# Altium PCB PCB1.pcbdoc (part 1 of 4) (continued)
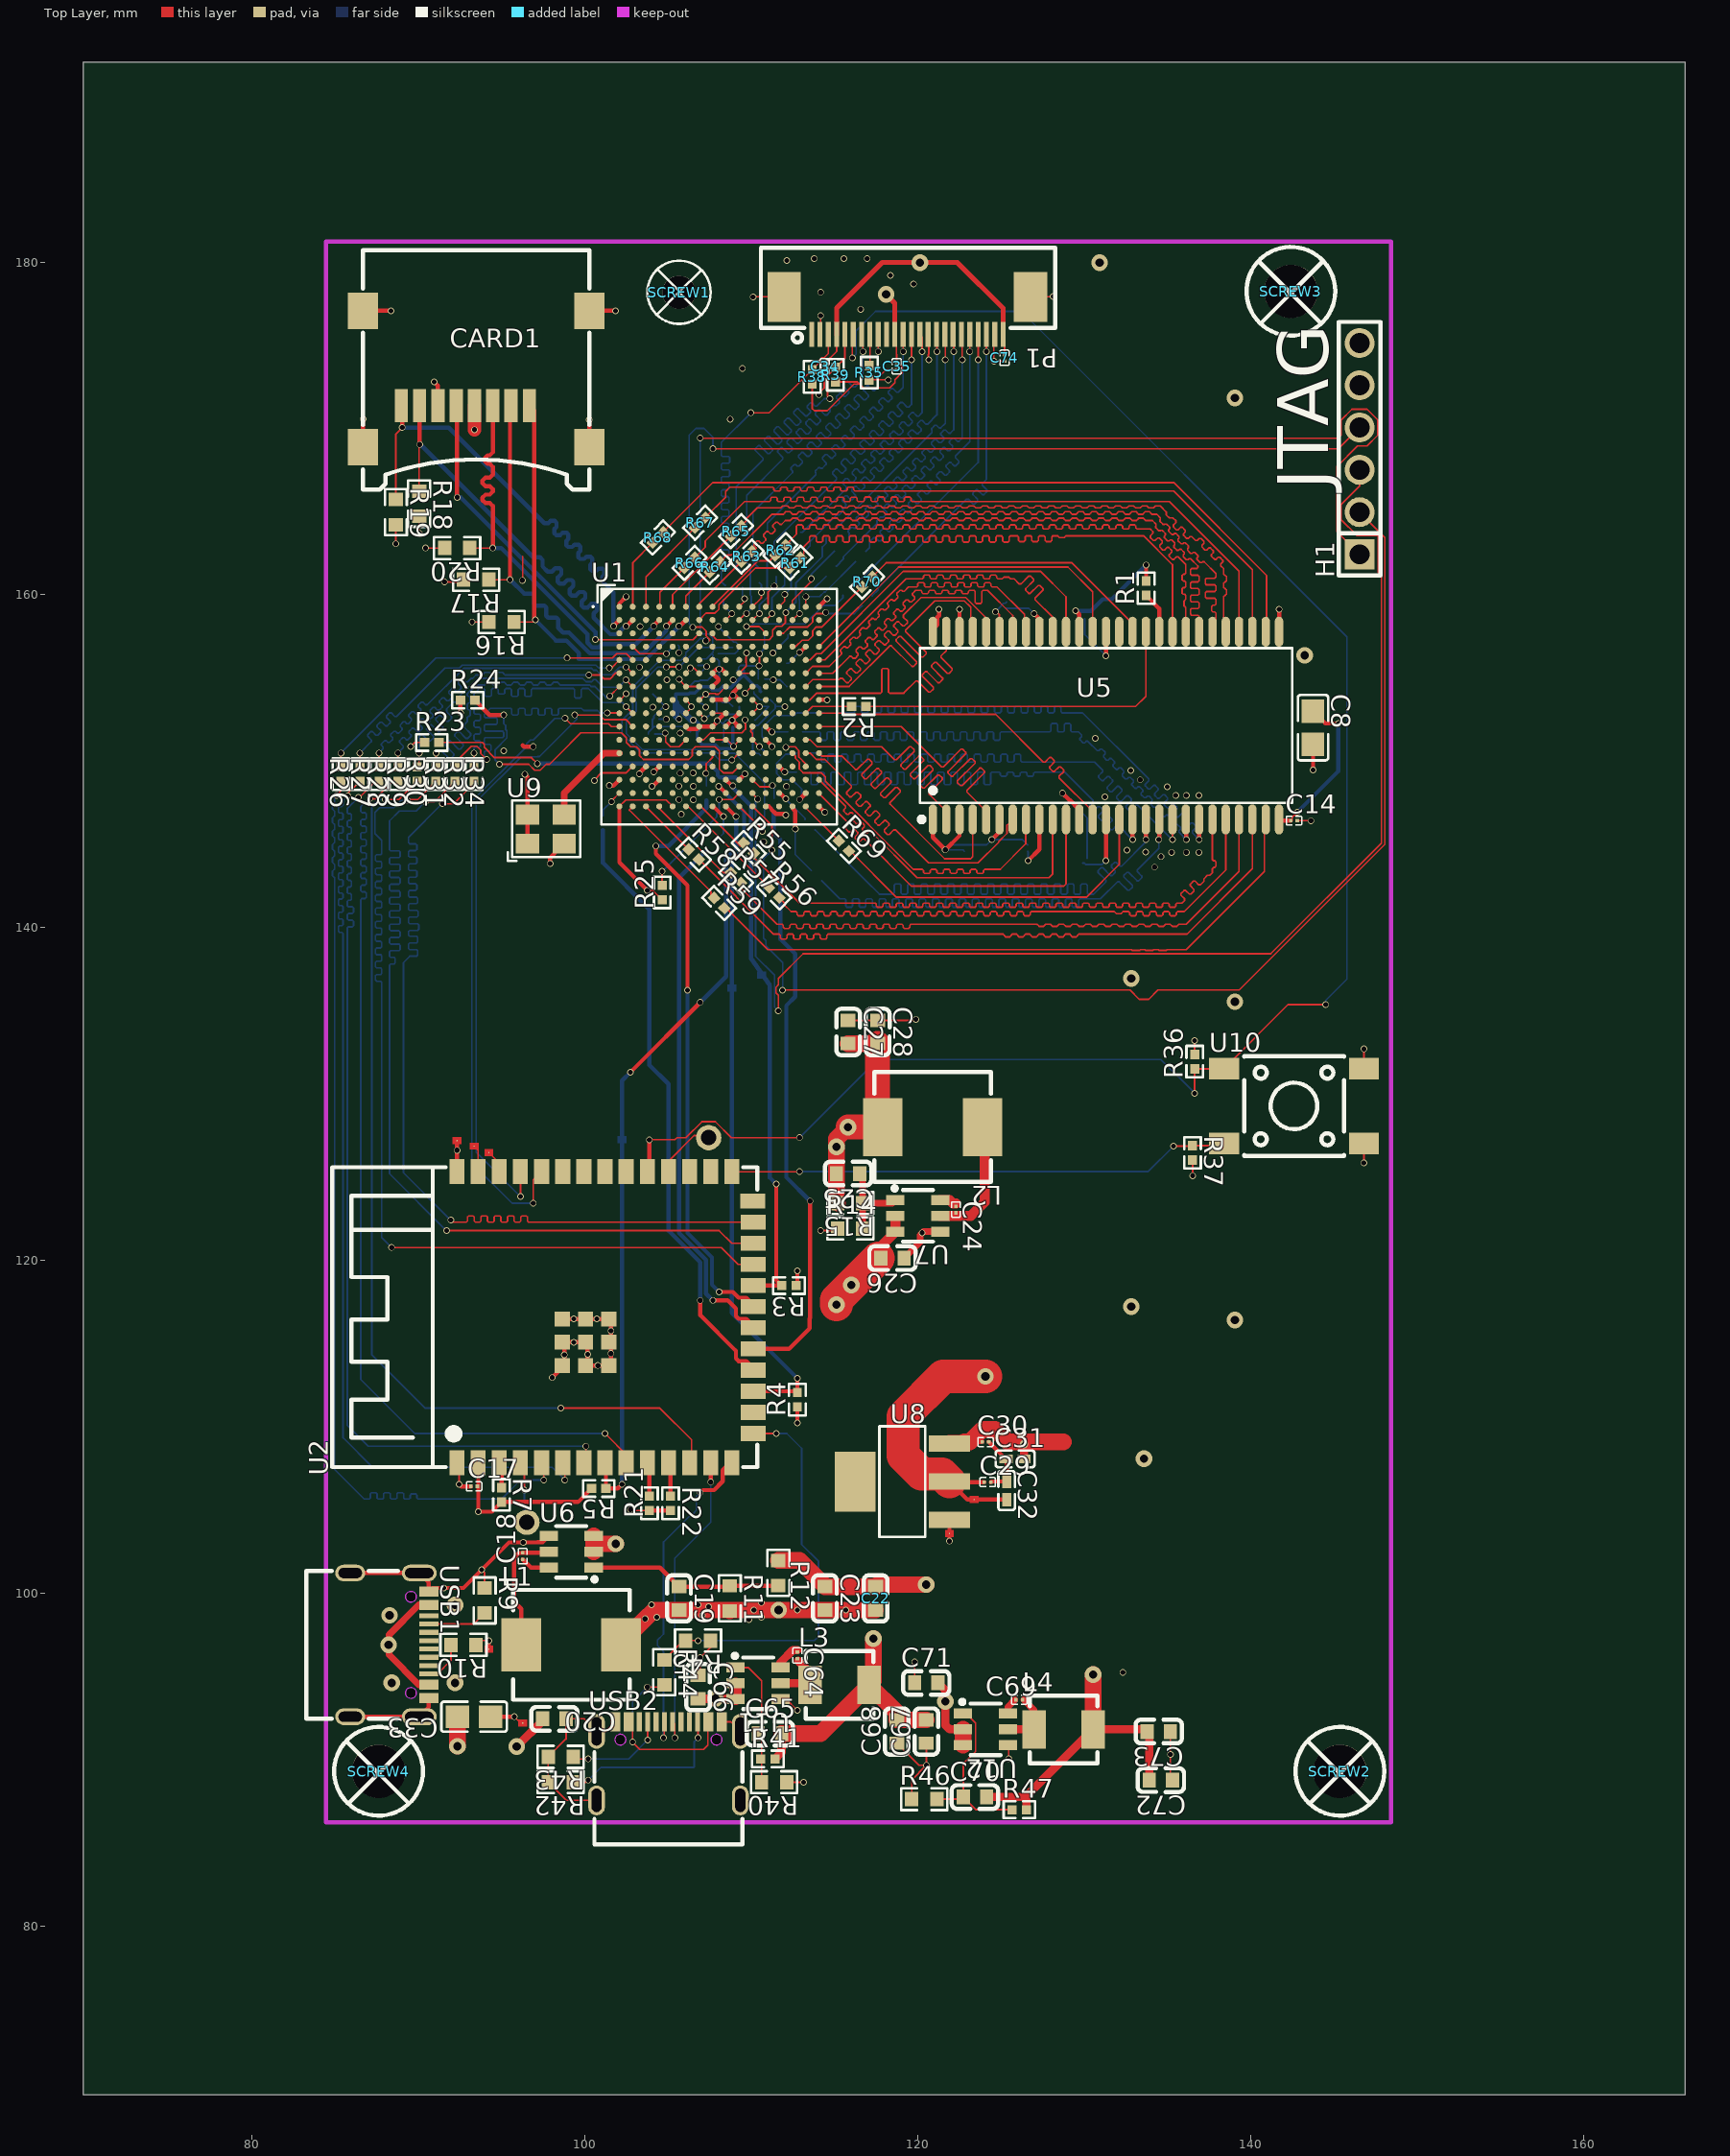
[diagram p0: Top Layer view]
## Components (designator, comment, footprint, x,y, rotation, side; value= is the part's Value field where it differs from the comment)
C8 "CL21A476MQYNNNE" C0805 143.764,152.019 r270 top
C10 "GRM022R60J104KE15D" C01005 122.174,144.78 r90 bottom
C11 "GRM022R60J104KE15D" C01005 122.809,144.78 r90 bottom
C12 "GRM022R60J104KE15D" C01005 126.619,144.78 r90 bottom
C13 "GRM022R60J104KE15D" C01005 130.048,144.018 r45 bottom
C14 "GRM022R60J104KE15D" C01005 142.621,146.431 r0 top
C15 "GRM022R60J104KE15D" C01005 130.048,158.75 r90 bottom
C16 "GRM022R60J104KE15D" C01005 125.349,159.385 r90 bottom
C17 "GRM022R60J104KE15D" C01005 93.345,106.426 r0 top
C18 "GRM022R60J104KE15D" C01005 96.266,102.235 r90 top
C19 "TCC0603X7R104K500CT" C0603 105.664,99.695 r270 top
C20 "TCC0603X5R226M6R3CT" C0603 98.171,92.456 r180 top
C22 "TCC0603X5R226M6R3CT" C0603 117.475,99.695 r270 top
C23 "TCC0603X5R226M6R3CT" C0603 114.427,99.695 r270 top
C24 "GRM022R60J104KE15D" C01005 122.301,123.063 r270 top
C25 "TCC0603X7R104K500CT" C0603 115.824,125.222 r180 top
C26 "TCC0603X5R226M6R3CT" C0603 118.491,120.142 r180 top
C27 "TCC0603X5R226M6R3CT" C0603 115.824,133.731 r270 top
C28 "TCC0603X5R226M6R3CT" C0603 117.602,133.731 r270 top
C29 "GRM022R60J104KE15D" C01005 124.206,106.68 r0 top
C30 "GRM022R60J104KE15D" C01005 124.079,109.093 r0 top
C31 "GRM155R60J106ME44D" C0402 125.857,108.077 r0 top
C32 "GRM155R60J106ME44D" C0402 125.349,106.172 r270 top
C33 "CL21A476MQYNNNE" C0805 93.345,92.583 r180 top
C34 "GRM022R60J104KE15D" C01005 114.427,173.736 r270 top
C35 "GRM022R60J104KE15D" C01005 118.745,173.736 r270 top
C37 "GRM022R60J104KE15D" C01005 105.41,156.972 r180 bottom
C39 "GRM022R60J104KE15D" C01005 109.093,156.845 r180 bottom
C40 "GRM022R60J104KE15D" C01005 110.617,154.94 r180 bottom
C41 "GRM022R60J104KE15D" C01005 106.299,154.305 r90 bottom
C42 "GRM022R60J104KE15D" C01005 108.204,154.686 r135 bottom
C43 "GRM022R60J104KE15D" C01005 109.347,155.448 r180 bottom
C44 "GRM022R60J104KE15D" C01005 110.363,154.178 r180 bottom
C45 "GRM022R60J104KE15D" C01005 106.934,153.67 r270 bottom
C46 "GRM022R60J104KE15D" C01005 108.077,153.543 r180 bottom
C47 "GRM022R60J104KE15D" C01005 109.093,153.289 r0 bottom
C48 "GRM022R60J104KE15D" C01005 110.744,150.368 r180 bottom
C49 "GRM022R60J104KE15D" C01005 108.712,152.019 r180 bottom
C50 "GRM022R60J104KE15D" C01005 107.823,156.464 r180 bottom
C51 "GRM022R60J104KE15D" C01005 104.013,151.638 r180 bottom
C52 "GRM022R60J104KE15D" C01005 110.236,152.273 r270 bottom
C53 "GRM022R60J104KE15D" C01005 108.458,151.13 r180 bottom
C54 "GRM022R60J104KE15D" C01005 106.553,151.765 r180 bottom
C55 "GRM022R60J104KE15D" C01005 111.252,153.289 r0 bottom
C56 "GRM022R60J104KE15D" C01005 104.267,152.527 r180 bottom
C57 "GRM022R60J104KE15D" C01005 107.823,152.908 r0 bottom
C58 "TCC0603X5R226M6R3CT" C0603 111.379,157.607 r180 bottom
C59 "TCC0603X5R226M6R3CT" C0603 112.141,155.194 r90 bottom
C61 "TCC0603X5R226M6R3CT" C0603 104.775,154.051 r180 bottom
C62 "GRM022R60J104KE15D" C01005 106.934,155.067 r270 bottom
C63 "GRM022R60J104KE15D" C01005 106.807,155.956 r90 bottom
C64 "GRM022R60J104KE15D" C01005 112.776,96.266 r270 top
C65 "TCC0603X7R104K500CT" C0603 111.125,91.567 r0 top
C66 "TCC0603X5R226M6R3CT" C0603 106.807,94.361 r270 top
C67 "TCC0603X5R226M6R3CT" C0603 120.523,91.694 r90 top
C68 "TCC0603X5R226M6R3CT" C0603 118.745,91.694 r90 top
C69 "GRM022R60J104KE15D" C01005 126.111,93.599 r0 top
C70 "TCC0603X7R104K500CT" C0603 123.444,87.757 r0 top
C71 "TCC0603X5R226M6R3CT" C0603 120.523,94.615 r0 top
C72 "TCC0603X5R226M6R3CT" C0603 134.62,88.773 r180 top
C73 "TCC0603X5R226M6R3CT" C0603 134.493,91.694 r180 top
C74 "GRM022R60J104KE15D" C01005 125.222,174.244 r270 top
CARD1 "DS1139-06-08SS4BSR" TF-SMD_DS1139-06-08SS4BSR 93.472,172.974 r0 top
H1 "2.54-1x6P直针" HDR-TH_6P-P2.54-V-M-1 146.558,168.783 r90 top
L1 "FXL0630-6R8-M" IND-SMD_L7.0-W6.6 99.187,96.901 r0 top
L2 "FXL0630-100-M" IND-SMD_L7.3-W6.8 120.904,128.016 r180 top
L3 "SL0420-3R3M" IND-SMD_L4.5-W4.1_SL0420 115.316,94.488 r0 top
L4 "SL0420-3R3M" IND-SMD_L4.5-W4.1_SL0420 128.778,91.821 r0 top
P1 "AFC07-S24FCC-00" FPC-SMD_AFC07-S24FCC-00 119.38,176.784 r180 top
R1 "0402WGF1002TCE" R0402 133.731,160.401 r90 top
R2 "0402WGF330JTCE" R0402 116.459,153.289 r180 top
R3 "0402WGF1002TCE" R0402 112.268,118.491 r180 top
R4 "0402WGF1002TCE" R0402 112.776,111.633 r90 top
R5 "0402WGF1002TCE" R0402 100.838,106.299 r180 top
R6 "0402WGF330JTCE" R0402 111.379,147.32 r270 bottom
R7 "0402WGF1002TCE" R0402 94.996,105.918 r270 top
R9 "0603WAF5101T5E" R0603 93.98,99.568 r270 top
R10 "0603WAF5101T5E" R0603 92.71,96.901 r180 top
R11 "FRC0603F1963TS" R0603 108.712,99.695 r270 top
R12 "FRC0603F6202TS" R0603 111.633,101.219 r270 top
R14 "FRC0603F6202TS" R0603 115.951,121.92 r0 top
R15 "0603WAF2322T5E" R0603 115.951,123.444 r180 top
R16 "FRC0603F6202TS" R0603 94.996,158.369 r180 top
R17 "FRC0603F6202TS" R0603 93.472,160.909 r180 top
R18 "FRC0603F6202TS" R0603 90.043,165.481 r270 top
R19 "FRC0603F6202TS" R0603 88.646,164.973 r270 top
R20 "FRC0603F6202TS" R0603 92.329,162.814 r180 top
R21 "0402WGF1002TCE" R0402 103.886,105.41 r270 top
R22 "0402WGF1002TCE" R0402 105.156,105.41 r270 top
R23 "0402WGF1002TCE" R0402 90.805,151.13 r0 top
R24 "0402WGF1002TCE" R0402 92.964,153.67 r0 top
R25 "0402WGF1002TCE" R0402 104.648,142.113 r90 top
R26 "0402WGF330JTCE" R0402 85.344,149.225 r270 top
R27 "0402WGF330JTCE" R0402 86.487,149.225 r270 top
R28 "0402WGF330JTCE" R0402 87.63,149.225 r270 top
R29 "0402WGF330JTCE" R0402 88.773,149.225 r270 top
R30 "0402WGF330JTCE" R0402 89.916,149.225 r270 top
R31 "0402WGF330JTCE" R0402 91.059,149.225 r270 top
R32 "0402WGF330JTCE" R0402 92.202,149.225 r270 top
R34 "0402WGF330JTCE" R0402 93.345,149.225 r270 top
R35 "0402WGF1002TCE" R0402 117.094,173.355 r270 top
R36 "0402WGF1002TCE" R0402 136.652,131.953 r90 top
R37 "0402WGF1002TCE" R0402 136.525,126.469 r270 top
R38 "0402WGF1002TCE" R0402 113.665,173.101 r270 top
R39 "0402WGF1002TCE" R0402 115.062,173.228 r270 top
R40 "FRC0603F6202TS" R0603 111.379,88.646 r180 top
R41 "RC0402FR-07130KL" R0402 110.998,90.043 r0 top
R42 "0603WAF5101T5E" R0603 98.552,88.646 r180 top
R43 "0603WAF5101T5E" R0603 98.552,90.17 r180 top
R44 "FRC0603F1963TS" R0603 104.775,95.25 r270 top
R45 "FRC0603F1963TS" R0603 106.807,97.155 r180 top
R46 "FRC0603F6202TS" R0603 120.396,87.63 r0 top
R47 "0402WGF1543TCE" R0402 126.111,86.995 r0 top
R48 "0402WGF330JTCE" R0402 113.157,149.479 r0 bottom
R49 "0402WGF330JTCE" R0402 113.538,146.177 r315 bottom
R50 "0402WGF330JTCE" R0402 113.919,143.129 r315 bottom
R51 "0402WGF330JTCE" R0402 113.157,150.495 r0 bottom
R53 "0402WGF330JTCE" R0402 114.808,152.908 r0 bottom
R54 "0402WGF330JTCE" R0402 112.649,151.765 r0 bottom
R55 "0402WGF330JTCE" R0402 109.855,144.78 r315 top
R56 "0402WGF330JTCE" R0402 111.379,142.113 r315 top
R57 "0402WGF330JTCE" R0402 109.093,143.002 r315 top
R58 "0402WGF330JTCE" R0402 106.553,144.399 r315 top
R59 "0402WGF330JTCE" R0402 108.077,141.478 r315 top
R61 "0402WGF330JTCE" R0402 112.649,161.925 r225 top
R62 "0402WGF330JTCE" R0402 111.76,162.687 r225 top
R63 "0402WGF330JTCE" R0402 109.728,162.306 r225 top
R64 "0402WGF330JTCE" R0402 107.823,161.671 r225 top
R65 "0402WGF330JTCE" R0402 109.093,163.83 r225 top
R66 "0402WGF330JTCE" R0402 106.299,161.925 r225 top
R67 "0402WGF330JTCE" R0402 106.934,164.338 r225 top
R68 "0402WGF330JTCE" R0402 104.394,163.449 r225 top
R69 "0402WGF330JTCE" R0402 115.57,144.907 r315 top
R70 "0402WGF330JTCE" R0402 116.967,160.782 r225 top
R71 "0402WGF330JTCE" R0402 108.331,160.147 r90 bottom
R72 "0402WGF330JTCE" R0402 109.474,160.909 r90 bottom
R73 "0402WGF330JTCE" R0402 109.601,163.195 r90 bottom
R75 "0402WGF330JTCE" R0402 110.49,161.163 r90 bottom
R76 "0402WGF330JTCE" R0402 110.744,163.195 r90 bottom
R77 "0402WGF330JTCE" R0402 111.506,161.544 r90 bottom
R78 "0402WGF330JTCE" R0402 112.649,163.449 r45 bottom
R79 "0402WGF330JTCE" R0402 113.03,162.433 r45 bottom
R80 "0402WGF330JTCE" R0402 114.808,163.703 r45 bottom
R81 "0402WGF330JTCE" R0402 115.316,162.941 r45 bottom
R82 "0402WGF330JTCE" R0402 114.808,161.417 r45 bottom
R83 "0402WGF330JTCE" R0402 116.586,162.306 r45 bottom
R84 "0402WGF330JTCE" R0402 115.824,160.274 r45 bottom
R85 "0402WGF330JTCE" R0402 116.967,159.639 r45 bottom
R86 "0402WGF330JTCE" R0402 101.092,146.304 r270 bottom
R87 "0402WGF330JTCE" R0402 107.569,144.907 r225 bottom
R88 "0402WGF330JTCE" R0402 107.315,148.082 r270 bottom
SCREW1 "Screw-Hole-M2" Screw-Hole-M2 105.664,178.181 r0 top
SCREW2 "Screw-Hole-M3" Screw-Hole-M3 145.442,89.239 r0 top
SCREW3 "Screw-Hole-M3" Screw-Hole-M3 142.494,178.181 r0 top
SCREW4 "Screw-Hole-M3" Screw-Hole-M3 87.672,89.239 r0 top
U1 "LFE5U-25F-6BG256C" CABGA-256_L14.0-W14.0-R16-C16-P0.80-TL 108.077,153.289 r0 top
U2 "ESP32-S3-WROOM-1-N16R2" WIRELM-SMD_ESP32-S3-WROOM-1 101.219,116.586 r90 top
U5 "W9825G6KH-6" TSOP-54_L22.2-W10.2-P0.80-LS11.8-BL 131.318,152.146 r0 top
U6 "AP63200WU-7" SOT-23-6_L2.9-W1.6-P0.95-LS2.8-BR 99.187,102.489 r0 top
U7 "AP63200WU-7" SOT-23-6_L2.9-W1.6-P0.95-LS2.8-BR 120.015,122.682 r180 top
U8 "AMS1117-1.8_C6185" SOT-223-4_L6.5-W3.5-P2.30-LS7.0-BR 119.079,106.709 r0 top
U9 "XOS32024000LT00351005" OSC-SMD_4P-L3.2-W2.5-BL 97.663,145.923 r0 top
U10 "TPS645-5NC60" SW-SMD_4P-L6.0-W6.0-P4.50-LS9.2 142.621,129.286 r0 top
U11 "AP63200WU-7" SOT-23-6_L2.9-W1.6-P0.95-LS2.8-BR 110.416,94.587 r180 top
U12 "AP63200WU-7" SOT-23-6_L2.9-W1.6-P0.95-LS2.8-BR 124.079,91.821 r180 top
USB1 "TYPE-C16PIN" USB-C-SMD_TYPE-C16PIN#1 88.265,96.901 r270 top
USB2 "TYPE-C16PIN" USB-C-SMD_TYPE-C16PIN#2 105.029,89.916 r0 top

## Footprints (in the part's own frame and the unit in brackets; to place one, negate y for a bottom-side part, rotate by r counter-clockwise, add the part's x,y. Pads: shape width x height; smd on the part's side, far side on the other; paste and mask are expansions set on the pad)
C0402 [mm]
  rect 0.79x0.54 smd: 1(-0.545,0) 2(0.545,0)
  silkscreen extent -1.17,-0.5 1.17,0.5
C0603 [mm]
  rect 0.8x0.9 smd: 1(-0.7,0) 2(0.7,0)
  silkscreen extent -1.39,-0.71 1.39,0.71
C0805 [mm]
  rect 1.41x1.35 smd: 1(-1,0) 2(1,0)
  silkscreen extent -1.96,-0.9 1.96,0.9
C01005 [mm]
  rect 0.21x0.22 smd: 1(-0.195,0) 2(0.195,0)
  silkscreen extent -0.46,-0.27 0.46,0.27
CABGA-256_L14.0-W14.0-R16-C16-P0.80-TL [mm]
  round 0.36 smd: A1(-6,6) A2(-5.2,6) A3(-4.4,6) A4(-3.6,6) A5(-2.8,6) A6(-2,6) A7(-1.2,6) A8(-0.4,6) A9(0.4,6) A10(1.2,6) A11(2,6) A12(2.8,6) A13(3.6,6) A14(4.4,6) A15(5.2,6) A16(6,6) B1(-6,5.2) B2(-5.2,5.2) B3(-4.4,5.2) B4(-3.6,5.2) B5(-2.8,5.2) B6(-2,5.2) B7(-1.2,5.2) B8(-0.4,5.2) B9(0.4,5.2) B10(1.2,5.2) B11(2,5.2) B12(2.8,5.2) B13(3.6,5.2) B14(4.4,5.2) B15(5.2,5.2) B16(6,5.2) C1(-6,4.4) C2(-5.2,4.4) C3(-4.4,4.4) C4(-3.6,4.4) C5(-2.8,4.4) C6(-2,4.4) C7(-1.2,4.4) C8(-0.4,4.4) C9(0.4,4.4) C10(1.2,4.4) C11(2,4.4) C12(2.8,4.4) C13(3.6,4.4) C14(4.4,4.4) C15(5.2,4.4) C16(6,4.4) D1(-6,3.6) D2(-5.2,3.6) D3(-4.4,3.6) D4(-3.6,3.6) D5(-2.8,3.6) D6(-2,3.6) D7(-1.2,3.6) D8(-0.4,3.6) D9(0.4,3.6) D10(1.2,3.6) D11(2,3.6) D12(2.8,3.6) D13(3.6,3.6) D14(4.4,3.6) D15(5.2,3.6) D16(6,3.6) E1(-6,2.8) E2(-5.2,2.8) E3(-4.4,2.8) E4(-3.6,2.8) E5(-2.8,2.8) E6(-2,2.8) E7(-1.2,2.8) E8(-0.4,2.8) E9(0.4,2.8) E10(1.2,2.8) E11(2,2.8) E12(2.8,2.8) E13(3.6,2.8) E14(4.4,2.8) E15(5.2,2.8) E16(6,2.8) F1(-6,2) F2(-5.2,2) F3(-4.4,2) F4(-3.6,2) F5(-2.8,2) F6(-2,2) F7(-1.2,2) F8(-0.4,2) F9(0.4,2) F10(1.2,2) F11(2,2) F12(2.8,2) F13(3.6,2) F14(4.4,2) F15(5.2,2) F16(6,2) G1(-6,1.2) G2(-5.2,1.2) G3(-4.4,1.2) G4(-3.6,1.2) G5(-2.8,1.2) G6(-2,1.2) G7(-1.2,1.2) G8(-0.4,1.2) G9(0.4,1.2) G10(1.2,1.2) G11(2,1.2) G12(2.8,1.2) G13(3.6,1.2) G14(4.4,1.2) G15(5.2,1.2) G16(6,1.2) H1(-6,0.4) H2(-5.2,0.4) H3(-4.4,0.4) H4(-3.6,0.4) H5(-2.8,0.4) H6(-2,0.4) H7(-1.2,0.4) H8(-0.4,0.4) H9(0.4,0.4) H10(1.2,0.4) H11(2,0.4) H12(2.8,0.4) H13(3.6,0.4) H14(4.4,0.4) H15(5.2,0.4) H16(6,0.4) J1(-6,-0.4) J2(-5.2,-0.4) J3(-4.4,-0.4) J4(-3.6,-0.4) J5(-2.8,-0.4) J6(-2,-0.4) J7(-1.2,-0.4) J8(-0.4,-0.4) J9(0.4,-0.4) J10(1.2,-0.4) J11(2,-0.4) J12(2.8,-0.4) J13(3.6,-0.4) J14(4.4,-0.4) J15(5.2,-0.4) J16(6,-0.4) K1(-6,-1.2) K2(-5.2,-1.2) K3(-4.4,-1.2) K4(-3.6,-1.2) K5(-2.8,-1.2) K6(-2,-1.2) K7(-1.2,-1.2) K8(-0.4,-1.2) K9(0.4,-1.2) K10(1.2,-1.2) K11(2,-1.2) K12(2.8,-1.2) K13(3.6,-1.2) K14(4.4,-1.2) K15(5.2,-1.2) K16(6,-1.2) L1(-6,-2) L2(-5.2,-2) L3(-4.4,-2) L4(-3.6,-2) L5(-2.8,-2) L6(-2,-2) L7(-1.2,-2) L8(-0.4,-2) L9(0.4,-2) L10(1.2,-2) L11(2,-2) L12(2.8,-2) L13(3.6,-2) L14(4.4,-2) L15(5.2,-2) L16(6,-2) M1(-6,-2.8) M2(-5.2,-2.8) M3(-4.4,-2.8) M4(-3.6,-2.8) M5(-2.8,-2.8) M6(-2,-2.8) M7(-1.2,-2.8) M8(-0.4,-2.8) M9(0.4,-2.8) M10(1.2,-2.8) M11(2,-2.8) M12(2.8,-2.8) M13(3.6,-2.8) M14(4.4,-2.8) M15(5.2,-2.8) M16(6,-2.8) N1(-6,-3.6) N2(-5.2,-3.6) N3(-4.4,-3.6) N4(-3.6,-3.6) N5(-2.8,-3.6) N6(-2,-3.6) N7(-1.2,-3.6) N8(-0.4,-3.6) N9(0.4,-3.6) N10(1.2,-3.6) N11(2,-3.6) N12(2.8,-3.6) N13(3.6,-3.6) N14(4.4,-3.6) N15(5.2,-3.6) N16(6,-3.6) P1(-6,-4.4) P2(-5.2,-4.4) P3(-4.4,-4.4) P4(-3.6,-4.4) P5(-2.8,-4.4) P6(-2,-4.4) P7(-1.2,-4.4) P8(-0.4,-4.4) P9(0.4,-4.4) P10(1.2,-4.4) P11(2,-4.4) P12(2.8,-4.4) P13(3.6,-4.4) P14(4.4,-4.4) P15(5.2,-4.4) P16(6,-4.4) R1(-6,-5.2) R2(-5.2,-5.2) R3(-4.4,-5.2) R4(-3.6,-5.2) R5(-2.8,-5.2) R6(-2,-5.2) R7(-1.2,-5.2) R8(-0.4,-5.2) R9(0.4,-5.2) R10(1.2,-5.2) R11(2,-5.2) R12(2.8,-5.2) R13(3.6,-5.2) R14(4.4,-5.2) R15(5.2,-5.2) R16(6,-5.2) T1(-6,-6) T2(-5.2,-6) T3(-4.4,-6) T4(-3.6,-6) T5(-2.8,-6) T6(-2,-6) T7(-1.2,-6) T8(-0.4,-6) T9(0.4,-6) T10(1.2,-6) T11(2,-6) T12(2.8,-6) T13(3.6,-6) T14(4.4,-6) T15(5.2,-6) T16(6,-6)
  silkscreen extent -7.63,-7.08 7.08,7.3
FPC-SMD_AFC07-S24FCC-00 [mm]
  rect 0.3x1.5 smd: 1(5.745,1.129) 2(5.245,1.129) 3(4.746,1.129) 4(4.245,1.129) 5(3.746,1.129) 6(3.245,1.129) 7(2.746,1.129) 8(2.245,1.129) 9(1.746,1.129) 10(1.245,1.129) 11(0.746,1.129) 12(0.245,1.129) 13(-0.254,1.129) 14(-0.755,1.129) 15(-1.251,1.13) 16(-1.754,1.13) 17(-2.254,1.128) 18(-2.754,1.129) 19(-3.254,1.129) 20(-3.756,1.132) 21(-4.256,1.132) 22(-4.756,1.132) 23(-5.256,1.132) 24(-5.756,1.132)
  rect 2x3 smd: 25(-7.401,-1.132) 26(7.401,-1.125)
  silkscreen extent -8.89,-4.07 8.8,1.61
HDR-TH_6P-P2.54-V-M-1 [mm]
  rect 1.8x1.8 hole 1.2: 1(-6.35,0)
  round 1.8 hole 1.2: 2(-3.81,0) 3(-1.27,0) 4(1.27,0) 5(3.81,0) 6(6.35,0)
  silkscreen extent -7.62,-1.25 7.62,1.25
IND-SMD_L4.5-W4.1_SL0420 [mm]
  rect 1.4x2.3 smd: 1(-1.775,0) 2(1.775,0)
  silkscreen extent -2.03,-2.03 2.03,2.03
IND-SMD_L7.0-W6.6 [mm]
  rect 2.4x3.2 smd: 1(-3,0) 2(3,0)
  silkscreen extent -3.5,-3.3 3.5,3.3
IND-SMD_L7.3-W6.8 [mm]
  rect 2.35x3.5 smd: 1(-3,0) 2(3,0)
  silkscreen extent -3.5,-3.3 3.5,3.3
OSC-SMD_4P-L3.2-W2.5-BL [mm]
  rect 1.4x1.2 smd: 1(-1.1,-0.875) 2(1.1,-0.875) 3(1.1,0.875) 4(-1.1,0.875)
  silkscreen extent -2.29,-1.9 2.07,1.72
R0402 [mm]
  rect 0.566x0.54 smd: 1(-0.433,0) 2(0.433,0)
  silkscreen extent -0.94,-0.5 0.94,0.5
R0603 [mm]
  rect 0.806x0.864 smd: 1(-0.753,0) 2(0.753,0)
  silkscreen extent -1.39,-0.66 1.39,0.66
Screw-Hole-M2 [mm]
  round 2 hole 2: 1(0,0)
  silkscreen extent -1.9,-1.9 1.9,1.9
Screw-Hole-M3 [mil]
  round 126 hole 126: 1(-2.5,2.5)
  silkscreen extent -107,-102 102,107
SOT-23-6_L2.9-W1.6-P0.95-LS2.8-BR [mm]
  rect 1.1x0.6 smd: 1(1.35,-0.95) 2(1.35,0) 3(1.35,0.95) 4(-1.35,0.95) 5(-1.35,0) 6(-1.35,-0.95)
  silkscreen extent -0.9,-1.78 1.52,1.55
SOT-223-4_L6.5-W3.5-P2.30-LS7.0-BR [mm]
  rect 2.47x0.98 smd: 1(2.835,-2.3) 2(2.835,0) 3(2.835,2.3)
  rect 2.47x3.6 smd: 4(-2.835,0)
  silkscreen extent -1.37,-3.33 1.37,3.33
SW-SMD_4P-L6.0-W6.0-P4.50-LS9.2 [mm]
  rect 1.8x1.3 smd: 1(-4.2,2.25) 2(4.2,2.25) 3(-4.2,-2.25) 4(4.2,-2.25)
  silkscreen extent -3,-3 3,3
TF-SMD_DS1139-06-08SS4BSR [mm]
  rect 0.8x2 smd: 1(3.2,-1.6) 2(2.1,-1.6) 3(1,-1.6) 4(-0.1,-1.6) 5(-1.2,-1.6) 6(-2.3,-1.6) 7(-3.4,-1.6) 8(-4.5,-1.6)
  rect 1.8x2.2 smd: 9(-6.8,4.1) 10(-6.8,-4.1) 11(6.8,-4.1) 12(6.8,4.1)
  silkscreen extent -6.8,-6.65 6.8,7.75
TSOP-54_L22.2-W10.2-P0.80-LS11.8-BL [mm]
  oval 0.5x1.8 smd: 1(-10.4,-5.642) 2(-9.6,-5.642) 3(-8.8,-5.642) 4(-8,-5.642) 5(-7.2,-5.642) 6(-6.4,-5.642) 7(-5.6,-5.642) 8(-4.8,-5.642) 9(-4,-5.642) 10(-3.2,-5.642) 11(-2.4,-5.642) 12(-1.6,-5.642) 13(-0.8,-5.642) 14(0,-5.642) 15(0.8,-5.642) 16(1.6,-5.642) 17(2.4,-5.642) 18(3.2,-5.642) 19(4,-5.642) 20(4.8,-5.642) 21(5.6,-5.642) 22(6.4,-5.642) 23(7.2,-5.642) 24(8,-5.642) 25(8.8,-5.642) 26(9.6,-5.642) 27(10.4,-5.642) 28(10.4,5.642) 29(9.6,5.642) 30(8.8,5.642) 31(8,5.642) 32(7.2,5.642) 33(6.4,5.642) 34(5.6,5.642) 35(4.8,5.642) 36(4,5.642) 37(3.2,5.642) 38(2.4,5.642) 39(1.6,5.642) 40(0.8,5.642) 41(0,5.642) 42(-0.8,5.642) 43(-1.6,5.642) 44(-2.4,5.642) 45(-3.2,5.642) 46(-4,5.642) 47(-4.8,5.642) 48(-5.6,5.642) 49(-6.4,5.642) 50(-7.2,5.642) 51(-8,5.642) 52(-8.8,5.642) 53(-9.6,5.642) 54(-10.4,5.642)
  silkscreen extent -11.23,-5.79 11.19,4.65
USB-C-SMD_TYPE-C16PIN#1 [mm]
  oval 1x2.1 hole 0.6 slot 1.7 at 90 deg: 1(-4.32,1.787) 2(4.32,1.787)
  oval 1x1.8 hole 0.6 slot 1.4 at 90 deg: 3(-4.32,-2.362) 4(4.32,-2.362)
  rect 0.6x1.15 smd: A1B12(-3.2,2.362) A4B9(-2.4,2.362) B1A12(3.2,2.362) B4A9(2.4,2.362)
  rect 0.3x1.15 smd: A5(-1.25,2.362) A6(-0.25,2.362) A7(0.25,2.362) A8(1.25,2.362) B5(1.75,2.362) B6(0.75,2.362) B7(-0.75,2.362) B8(-1.75,2.362)
  Board Outline Layer circle w0.005: c2.89,1.288 r0.325
  Board Outline Layer circle w0.005: c-2.89,1.288 r0.325
  Board Outline Layer region: 2.89,1.613 3.031,1.581 3.144,1.491 3.207,1.36 3.207,1.216 3.144,1.085 3.031,0.995 2.89,0.963 2.89,0.963 2.749,0.995 2.636,1.085 2.573,1.216 2.573,1.36 2.636,1.491 2.749,1.581 2.89,1.613
  Board Outline Layer region: -2.89,1.613 -2.749,1.581 -2.636,1.491 -2.573,1.36 -2.573,1.216 -2.636,1.085 -2.749,0.995 -2.89,0.963 -2.89,0.963 -3.031,0.995 -3.144,1.085 -3.207,1.216 -3.207,1.36 -3.144,1.491 -3.031,1.581 -2.89,1.613
  Multi-Layer board cut-out: 2.89,1.613 3.031,1.581 3.144,1.491 3.207,1.36 3.207,1.216 3.144,1.085 3.031,0.995 2.89,0.963 2.89,0.963 2.749,0.995 2.636,1.085 2.573,1.216 2.573,1.36 2.636,1.491 2.749,1.581 2.89,1.613
  Multi-Layer board cut-out: -2.89,1.613 -2.749,1.581 -2.636,1.491 -2.573,1.36 -2.573,1.216 -2.636,1.085 -2.749,0.995 -2.89,0.963 -2.89,0.963 -3.031,0.995 -3.144,1.085 -3.207,1.216 -3.207,1.36 -3.144,1.491 -3.031,1.581 -2.89,1.613
  silkscreen extent -4.45,-5 4.45,0.52
USB-C-SMD_TYPE-C16PIN#2 [mm]
  oval 1x2.1 hole 0.6 slot 1.7 at 90 deg: 1(-4.32,1.787) 2(4.32,1.787)
  oval 1x1.8 hole 0.6 slot 1.4 at 90 deg: 3(-4.32,-2.362) 4(4.32,-2.362)
  rect 0.6x1.15 smd: A1B12(-3.2,2.362) A4B9(-2.4,2.362) B1A12(3.2,2.362) B4A9(2.4,2.362)
  rect 0.3x1.15 smd: A5(-1.25,2.362) A6(-0.25,2.362) A7(0.25,2.362) A8(1.25,2.362) B5(1.75,2.362) B6(0.75,2.362) B7(-0.75,2.362) B8(-1.75,2.362)
  Board Outline Layer circle w0.005: c2.89,1.288 r0.325
  Board Outline Layer circle w0.005: c-2.89,1.288 r0.325
  Board Outline Layer region: 3.215,1.288 3.183,1.147 3.093,1.034 2.962,0.971 2.818,0.971 2.687,1.034 2.597,1.147 2.565,1.288 2.565,1.288 2.597,1.429 2.687,1.542 2.818,1.605 2.962,1.605 3.093,1.542 3.183,1.429 3.215,1.288
  Board Outline Layer region: -2.565,1.288 -2.597,1.147 -2.687,1.034 -2.818,0.971 -2.962,0.971 -3.093,1.034 -3.183,1.147 -3.215,1.288 -3.215,1.288 -3.183,1.429 -3.093,1.542 -2.962,1.605 -2.818,1.605 -2.687,1.542 -2.597,1.429 -2.565,1.288
  Multi-Layer board cut-out: 3.215,1.288 3.183,1.147 3.093,1.034 2.962,0.971 2.818,0.971 2.687,1.034 2.597,1.147 2.565,1.288 2.565,1.288 2.597,1.429 2.687,1.542 2.818,1.605 2.962,1.605 3.093,1.542 3.183,1.429 3.215,1.288
  Multi-Layer board cut-out: -2.565,1.288 -2.597,1.147 -2.687,1.034 -2.818,0.971 -2.962,0.971 -3.093,1.034 -3.183,1.147 -3.215,1.288 -3.215,1.288 -3.183,1.429 -3.093,1.542 -2.962,1.605 -2.818,1.605 -2.687,1.542 -2.597,1.429 -2.565,1.288
  silkscreen extent -4.45,-5 4.45,0.52
WIRELM-SMD_ESP32-S3-WROOM-1 [mm]
  rect 1.5x0.9 smd: 1(-8.75,8.895) 2(-8.75,7.625) 3(-8.75,6.355) 4(-8.75,5.085) 5(-8.75,3.815) 6(-8.75,2.545) 7(-8.75,1.275) 8(-8.75,0.005) 9(-8.75,-1.265) 10(-8.75,-2.535) 11(-8.75,-3.805) 12(-8.75,-5.075) 13(-8.75,-6.345) 14(-8.75,-7.615) 27(8.75,-7.615) 28(8.75,-6.345) 29(8.75,-5.075) 30(8.75,-3.805) 31(8.75,-2.535) 32(8.75,-1.265) 33(8.75,0.005) 34(8.75,1.275) 35(8.75,2.545) 36(8.75,3.815) 37(8.75,5.085) 38(8.75,6.355) 39(8.75,7.625) 40(8.75,8.895)
  rect 0.9x1.5 smd: 15(-6.985,-8.895) 16(-5.715,-8.895) 17(-4.445,-8.895) 18(-3.175,-8.895) 19(-1.905,-8.895) 20(-0.635,-8.895) 21(0.635,-8.895) 22(1.905,-8.895) 23(3.175,-8.895) 24(4.445,-8.895) 25(5.715,-8.895) 26(6.985,-8.865)
  rect 0.9x0.9 smd: 41(-2.9,-0.225) 41(-2.9,1.175) 41(-2.9,2.575) 41(-1.5,2.575) 41(-1.5,-0.225) 41(-1.5,1.175) 41(-0.1,2.575) 41(-0.1,1.175) 41(-0.1,-0.225)
  silkscreen extent -9,-9.14 9.02,16.39

## Free pads (board coordinates)
  round 1.524 hole 0.914: 1(96.52,104.267) 1(107.442,127.381)
  round 0.08 smd: 55(92.324,127.195) 55(93.345,126.873) 55(94.234,96.647) 55(94.234,126.492) 55(96.266,92.202) 55(121.914,103.597) 55(123.394,105.627)
  round 0.08 smd far side: 55(102.235,127.254) 55(108.839,136.377) 55(110.617,137.16)

## Via types
v1: diameter 0.4, hole 0.3, Top Layer to Bottom Layer, 318 vias
v2: diameter 1, hole 0.5, Top Layer to Bottom Layer, 29 vias
v3: diameter 0.5, hole 0.3, Top Layer to Bottom Layer, 1 vias

## Nets (pads, with @x,y where several pads share a name; then routed paths per layer and width w, separated by ;. In a path a pad name is that pad's centre, name@x,y a point inside that pad or via, vN(x,y) a via of type N, cw(c..) or ccw(c..) an arc to the next point about the centre after c; other vN are vias at no path point)
$1N9437: R1.1 U5.37 | length 2.5
  Top Layer w0.254: R1.1@133.731,159.968 134.518,159.181 U5.37@134.518,157.788
$1N11348: R2.1 U5.38 | length 21
  Top Layer w0.1: R2.1@116.892,153.289 133.096,153.289 133.718,153.911 U5.38@133.718,157.788
$1N11975: R7.1 U2.3 | length 1.5
  Top Layer w0.254: U2.3@94.991,107.836 94.996,107.831 R7.1@94.996,106.351
$1N12553: R10.2 USB1.B5 | length 2.6
  Top Layer w0.1: USB1.B5@90.627,95.151 91.138,95.151 91.957,95.97 R10.2@91.957,96.901
$1N12557: R9.2 USB1.A5 | length 3.6
  Top Layer w0.1: USB1.A5@90.627,98.151 93.316,98.151 R9.2@93.98,98.815
$1N14416: C18.2 L1.1 U6.5 | length 7.6
  Top Layer w0.254: L1.1@96.187,96.901 96.187,99.06 95.758,99.489 95.758,102.141 96.04,102.424 96.26,102.424 C18.2@96.266,102.43 97.778,102.43 U6.5@97.837,102.489
$1N14459: C18.1 U6.6 | length 1.8
  Top Layer w0.254: C18.1@96.266,102.04 96.767,101.539 U6.6@97.837,101.539
$1N14567: C19.1 R11.1 R12.2 U6.1 | length 11.6
  Top Layer w0.254: U6.1@100.537,101.539 104.52,101.539 C19.1@105.664,100.395 108.659,100.395 R11.1@108.712,100.448 111.616,100.448 R12.2@111.633,100.466
$1N16832: C24.2 L2.1 U7.5 | length 7.6
  Top Layer w0.6: U7.5@121.365,122.682 123.19,122.682 124.031,123.523 124.031,127.889 L2.1@123.904,128.016
$1N16833: C24.1 U7.6 | length 1
  Top Layer w0.6: U7.6@121.365,123.632 121.927,123.632 122.134,123.425 122.301,123.425
$1N16834: C25.1 R14.2 R15.1 U7.1 | length 5.4
  Top Layer w0.4: C25.1@116.524,125.222 116.704,125.042 R15.1@116.704,123.444 ; R14.2@116.704,121.92 R15.1@116.704,123.444 ; U7.1@118.665,123.632 118.477,123.444 R15.1@116.704,123.444
$1N17349: C29.2 C30.2 C31.1 C32.1 | length 3.8
  Top Layer w0.254: C30.2@124.274,109.093 125.349,108.018 C32.1@125.349,106.717 124.438,106.717 C29.2@124.401,106.68
$1N29790: R26.2 U2.5 | length 59.2
  Top Layer w0.1: v1(85.082,147.955) 85.344,148.217 R26.2@85.344,148.792 ; U2.5@97.531,107.836 97.536,107.831 v1(97.536,106.807)
  Bottom Layer w0.1: v1(85.082,147.955) 84.963,147.836 84.963,147.523 84.834,147.395 84.834,147.123 84.963,146.995 84.963,146.723 84.834,146.595 84.834,146.323 84.963,146.195 84.963,145.923 84.834,145.795 84.834,145.523 84.963,145.395 84.963,145.123 84.834,144.995 84.834,144.723 84.963,144.595 84.963,144.323 84.834,144.195 84.834,143.923 84.963,143.795 84.963,143.523 84.834,143.395 84.834,143.123 84.963,142.995 84.963,107.442 86.741,105.664 87.041,105.664 87.112,105.735 87.112,105.974 87.182,106.045 87.441,106.045 87.512,105.974 87.512,105.735 87.582,105.664 87.841,105.664 87.912,105.735 87.912,105.974 87.982,106.045 88.241,106.045 88.312,105.974 88.312,105.735 88.382,105.664 88.641,105.664 88.712,105.735 88.712,105.974 88.782,106.045 89.041,106.045 89.112,105.974 89.112,105.735 89.182,105.664 89.441,105.664 89.512,105.735 89.512,105.904 89.582,105.974 89.841,105.974 89.912,105.904 89.912,105.735 89.982,105.664 94.995,105.664 96.138,106.807 v1(97.536,106.807)
$1N29833: R27.2 U2.6 | length 59.2
  Top Layer w0.1: v1(85.761,147.919) 85.761,148.066 R27.2@86.487,148.792 ; v1(98.801,106.807) U2.6@98.801,107.836
  Bottom Layer w0.1: v1(85.761,147.919) 85.471,147.629 85.471,147.358 85.4,147.287 85.263,147.287 85.192,147.217 85.192,146.958 85.263,146.887 85.4,146.887 85.471,146.817 85.471,146.558 85.4,146.487 85.263,146.487 85.192,146.417 85.192,146.158 85.263,146.087 85.4,146.087 85.471,146.017 85.471,145.758 85.4,145.687 85.263,145.687 85.192,145.617 85.192,145.358 85.263,145.287 85.4,145.287 85.471,145.217 85.471,144.958 85.4,144.887 85.263,144.887 85.192,144.817 85.192,144.558 85.263,144.487 85.4,144.487 85.471,144.417 85.471,144.158 85.4,144.087 85.263,144.087 85.192,144.017 85.192,143.758 85.263,143.687 85.4,143.687 85.471,143.617 85.471,143.358 85.4,143.287 85.263,143.287 85.192,143.217 85.192,142.958 85.263,142.887 85.4,142.887 85.471,142.817 85.471,142.558 85.4,142.487 85.263,142.487 85.192,142.417 85.192,142.158 85.263,142.087 85.4,142.087 85.471,142.017 85.471,141.794 85.4,141.723 85.263,141.723 85.192,141.653 85.192,141.394 85.263,141.323 85.4,141.323 85.471,141.253 85.471,140.994 85.4,140.923 85.263,140.923 85.192,140.853 85.192,140.594 85.263,140.523 85.4,140.523 85.471,140.453 85.471,140.194 85.4,140.123 85.263,140.123 85.192,140.053 85.192,139.794 85.263,139.723 85.4,139.723 85.471,139.653 85.471,109.347 87.249,107.569 98.039,107.569 v1(98.801,106.807)
$1N29916: R29.2 U2.9 | length 59.1
  Top Layer w0.1: v1(87.072,147.751) 87.427,147.751 88.469,148.792 R29.2@88.773,148.792 ; v1(101.219,109.601) 102.611,108.209 U2.9@102.611,107.836
  Bottom Layer w0.1: v1(87.072,147.751) 86.87,147.549 86.814,147.549 86.541,147.276 86.541,146.979 86.612,146.909 86.797,146.909 86.868,146.838 86.868,146.579 86.797,146.509 86.612,146.509 86.541,146.438 86.541,146.179 86.612,146.109 86.797,146.109 86.868,146.038 86.868,145.779 86.797,145.709 86.612,145.709 86.541,145.638 86.541,145.379 86.612,145.309 86.797,145.309 86.868,145.238 86.868,144.979 86.797,144.909 86.612,144.909 86.541,144.838 86.541,144.579 86.612,144.509 86.797,144.509 86.868,144.438 86.868,144.179 86.797,144.109 86.612,144.109 86.541,144.038 86.541,143.779 86.612,143.709 86.797,143.709 86.868,143.638 86.868,143.379 86.797,143.309 86.612,143.309 86.541,143.238 86.541,143.024 86.612,142.954 86.797,142.954 86.868,142.883 86.868,142.624 86.797,142.554 86.612,142.554 86.541,142.483 86.541,142.224 86.612,142.154 86.797,142.154 86.868,142.083 86.868,141.824 86.797,141.754 86.612,141.754 86.541,141.683 86.541,112.849 89.789,109.601 v1(101.219,109.601)
$1N29959: R30.2 U2.12 | length 59
  Top Layer w0.1: v1(88.011,147.701) 88.825,147.701 R30.2@89.916,148.792 ; v1(98.552,111.125) 104.521,111.125 106.421,109.225 U2.12@106.421,107.836
  Bottom Layer w0.1: v1(88.011,147.701) 87.591,147.701 87.239,147.349 87.239,147.339 87.195,147.295 87.195,114.354 90.424,111.125 v1(98.552,111.125)
$1N30002: R31.2 U2.23 | length 58.9
  Top Layer w0.1: v1(88.392,120.777) 108.204,120.777 109.22,119.761 U2.23@110.114,119.761 ; v1@89.281,147.701 89.968,147.701 R31.2@91.059,148.792
  Bottom Layer w0.1: v1(88.392,120.777) 87.796,121.373 87.796,136.711 87.725,136.782 87.495,136.782 87.424,136.852 87.424,137.111 87.495,137.182 87.725,137.182 87.796,137.252 87.796,137.511 87.725,137.582 87.495,137.582 87.424,137.652 87.424,137.911 87.495,137.982 87.725,137.982 87.796,138.052 87.796,138.311 87.725,138.382 87.495,138.382 87.424,138.452 87.424,138.711 87.495,138.782 87.725,138.782 87.796,138.852 87.796,139.111 87.725,139.182 87.495,139.182 87.424,139.252 87.424,139.511 87.495,139.582 87.725,139.582 87.796,139.652 87.796,139.911 87.725,139.982 87.495,139.982 87.424,140.052 87.424,140.311 87.495,140.382 87.725,140.382 87.796,140.452 87.796,140.711 87.725,140.782 87.495,140.782 87.424,140.852 87.424,141.111 87.495,141.182 87.725,141.182 87.796,141.252 87.796,141.511 87.725,141.582 87.495,141.582 87.424,141.652 87.424,141.911 87.495,141.982 87.725,141.982 87.796,142.052 87.796,142.311 87.725,142.382 87.495,142.382 87.424,142.452 87.424,142.711 87.495,142.782 87.725,142.782 87.796,142.852 87.796,143.111 87.725,143.182 87.495,143.182 87.424,143.252 87.424,143.511 87.495,143.582 87.725,143.582 87.796,143.652 87.796,143.911 87.725,143.982 87.495,143.982 87.424,144.052 87.424,144.311 87.495,144.382 87.725,144.382 87.796,144.452 87.796,145.249 87.395,145.65 87.395,146.933 87.674,147.212 88.523,147.212 88.956,147.645 v1(89.337,147.645)
$1N30085: R34.2 U2.25 | length 59.1
  Top Layer w0.1: v1@91.44,147.447 92.127,147.447 93.345,148.665 R34.2@93.345,148.792 ; v1(91.948,122.428) 92.075,122.301 92.883,122.301 92.954,122.372 92.954,122.611 93.025,122.682 93.283,122.682 93.354,122.611 93.354,122.372 93.425,122.301 93.683,122.301 93.754,122.372 93.754,122.611 93.825,122.682 94.083,122.682 94.154,122.611 94.154,122.372 94.225,122.301 94.483,122.301 94.554,122.372 94.554,122.611 94.625,122.682 94.883,122.682 94.954,122.611 94.954,122.372 95.025,122.301 95.283,122.301 95.354,122.372 95.354,122.611 95.425,122.682 95.683,122.682 95.754,122.611 95.754,122.372 95.825,122.301 96.083,122.301 96.154,122.372 96.154,122.611 96.225,122.682 96.483,122.682 96.554,122.611 96.554,122.372 96.625,122.301 U2.25@110.114,122.301
  Bottom Layer w0.1: v1(91.433,147.454) 89.408,145.43 89.408,145.109 89.479,145.038 89.845,145.038 89.916,144.968 89.916,144.709 89.845,144.638 89.479,144.638 89.408,144.568 89.408,144.309 89.479,144.238 89.835,144.238 89.906,144.168 89.906,143.909 89.835,143.838 89.479,143.838 89.408,143.768 89.408,143.509 89.479,143.438 89.844,143.438 89.915,143.368 89.915,143.109 89.844,143.038 89.479,143.038 89.408,142.968 89.408,142.709 89.479,142.638 89.835,142.638 89.906,142.568 89.906,142.309 89.835,142.238 89.479,142.238 89.408,142.168 89.408,141.909 89.479,141.838 89.88,141.838 89.95,141.768 89.95,141.509 89.88,141.438 89.479,141.438 89.408,141.368 89.408,141.109 89.479,141.038 89.907,141.038 89.977,140.968 89.977,140.709 89.907,140.638 89.479,140.638 89.408,140.568 89.408,140.309 89.479,140.238 89.952,140.238 90.022,140.168 90.022,139.909 89.952,139.838 89.479,139.838 89.408,139.768 89.408,139.554 89.479,139.483 89.887,139.483 89.958,139.412 89.958,139.154 89.887,139.083 89.479,139.083 89.408,139.012 89.408,138.754 89.479,138.683 89.887,138.683 89.958,138.612 89.958,138.354 89.887,138.283 89.479,138.283 89.1,137.904 89.1,125.276 v1(91.948,122.428)
$1N30089: R32.2 U2.24 | length 59
  Top Layer w0.1: v1(90.424,147.574) 90.984,147.574 R32.2@92.202,148.792 ; v1(91.694,121.793) 108.077,121.793 108.839,121.031 U2.24@110.114,121.031
  Bottom Layer w0.1: v1(90.424,147.574) 89.862,147.012 88.861,147.012 88.265,146.416 88.265,144.684 88.336,144.614 88.829,144.614 88.9,144.543 88.9,144.284 88.829,144.214 88.336,144.214 88.265,144.143 88.265,143.884 88.336,143.814 88.829,143.814 88.9,143.743 88.9,143.484 88.829,143.414 88.336,143.414 88.265,143.343 88.265,143.084 88.336,143.014 88.829,143.014 88.9,142.943 88.9,142.684 88.829,142.614 88.336,142.614 88.265,142.543 88.265,142.284 88.336,142.214 88.829,142.214 88.9,142.143 88.9,141.884 88.829,141.814 88.336,141.814 88.265,141.743 88.265,141.484 88.336,141.414 88.829,141.414 88.9,141.343 88.9,141.084 88.829,141.014 88.336,141.014 88.265,140.943 88.265,140.684 88.336,140.614 88.829,140.614 88.9,140.543 88.9,140.284 88.829,140.214 88.336,140.214 88.265,140.143 88.265,139.884 88.336,139.814 88.829,139.814 88.9,139.743 88.9,139.484 88.829,139.414 88.336,139.414 88.265,139.343 88.265,139.084 88.336,139.014 88.829,139.014 88.9,138.943 88.9,138.684 88.829,138.614 88.336,138.614 88.265,138.543 88.265,138.284 88.336,138.214 88.531,138.214 88.602,138.143 88.602,137.884 88.531,137.814 88.336,137.814 88.265,137.743 88.265,125.222 v1(91.694,121.793)
$1N30093: R28.2 U2.7 | length 59.1
  Top Layer w0.1: v1(86.393,147.828) 86.454,147.828 87.419,148.792 R28.2@87.63,148.792 ; U2.7@100.071,107.836 v1(100.071,108.839)
  Bottom Layer w0.1: v1(86.393,147.828) 85.725,147.16 85.725,146.916 85.796,146.845 85.908,146.845 85.979,146.774 85.979,146.516 85.908,146.445 85.796,146.445 85.725,146.374 85.725,146.116 85.796,146.045 85.908,146.045 85.979,145.974 85.979,145.716 85.908,145.645 85.796,145.645 85.725,145.574 85.725,145.316 85.796,145.245 85.908,145.245 85.979,145.174 85.979,144.916 85.908,144.845 85.796,144.845 85.725,144.774 85.725,144.516 85.796,144.445 85.908,144.445 85.979,144.374 85.979,144.116 85.908,144.045 85.796,144.045 85.725,143.974 85.725,143.716 85.796,143.645 85.908,143.645 85.979,143.574 85.979,143.316 85.908,143.245 85.796,143.245 85.725,143.174 85.725,142.916 85.796,142.845 85.908,142.845 85.979,142.774 85.979,142.516 85.908,142.445 85.796,142.445 85.725,142.374 85.725,142.116 85.796,142.045 85.908,142.045 85.979,141.974 85.979,141.716 85.908,141.645 85.796,141.645 85.725,141.574 85.725,141.324 85.796,141.253 86.035,141.253 86.106,141.182 86.106,140.924 86.035,140.853 85.796,140.853 85.725,140.782 85.725,140.524 85.796,140.453 86.035,140.453 86.106,140.382 86.106,140.124 86.035,140.053 85.796,140.053 85.725,139.982 85.725,110.109 86.995,108.839 v1(100.071,108.839)
$1N60668: C64.1 U11.6 | length 1.6
  Top Layer w0.5: U11.6@111.766,95.537 111.766,95.844 112.499,96.578 112.776,96.578
$1N60669: C64.2 L3.1 U11.5 | length 3.6
  Top Layer w0.1: L3.1@113.442,94.587 L3.1@113.541,94.488
  Top Layer w0.5: U11.5@111.766,94.587 L3.1@113.442,94.587 ; 112.821,95.954 113.541,95.234 L3.1@113.541,94.488
$1N60670: C65.1 R40.2 R41.1 U11.1 | length 8
  Top Layer w0.1: U11.1@109.066,95.537 109.822,95.537 110.626,94.733 R40.2@110.626,88.646
$1N63749: R43.1 USB2.A5 | length 6.1
  Top Layer w0.1: R43.1@99.305,90.17 99.432,90.043 v1(100.203,90.043) ; v1(103.779,91.186) USB2.A5@103.779,92.278
  Bottom Layer w0.1: v1(100.203,90.043) 102.636,90.043 v1(103.779,91.186)
$1N63772: R42.1 USB2.B5 | length 10.5
  Top Layer w0.1: R42.1@99.305,88.646 100.076,88.646 v1(100.203,88.773) ; USB2.B5@106.779,92.278 106.807,92.251 v1(106.807,91.313)
  Bottom Layer w0.1: v1(100.203,88.773) 100.965,89.535 106.553,89.535 106.581,89.563 106.581,91.087 v1(106.807,91.313)
$1N63825: R44.2 USB2.A4B9 USB2.B4A9 | length 12.3
  Top Layer w0.1: USB2.A4B9@102.629,92.278 102.87,92.037 v1(102.87,91.059) 103.309,90.62 107.13,90.62 107.392,90.882 107.392,92.241 USB2.B4A9@107.429,92.278 ; v1(103.759,94.361) 104.639,94.361 R44.2@104.775,94.497
  Bottom Layer w0.1: v1(102.87,91.059) 102.87,93.472 v1(103.759,94.361)
$1N64401: C69.2 L4.1 U12.5 | length 3.6
  Top Layer w0.4: C69.2@126.373,93.599 127.003,92.969 L4.1@127.003,91.821
  Top Layer w0.5: U12.5@125.429,91.821 L4.1@127.003,91.821
$1N64402: C69.1 U12.6 | length 1
  Top Layer w0.4: U12.6@125.429,92.771 125.429,93.179 C69.1@125.849,93.599
$1N64403: C70.1 R46.2 R47.1 U12.1 | length 10.6
  Top Layer w0.1: R46.2@121.149,87.63 122.617,87.63 C70.1@122.744,87.757 ; U12.1@122.729,92.771 122.79,92.71 122.976,92.71 123.481,92.205 123.481,90.487 122.744,89.75 C70.1@122.744,87.757 ; R47.1@125.678,86.995 123.506,86.995 C70.1@122.744,87.757